# Altium PCB Graviton-EC2.PcbDoc (part 9 of 12) (continued)
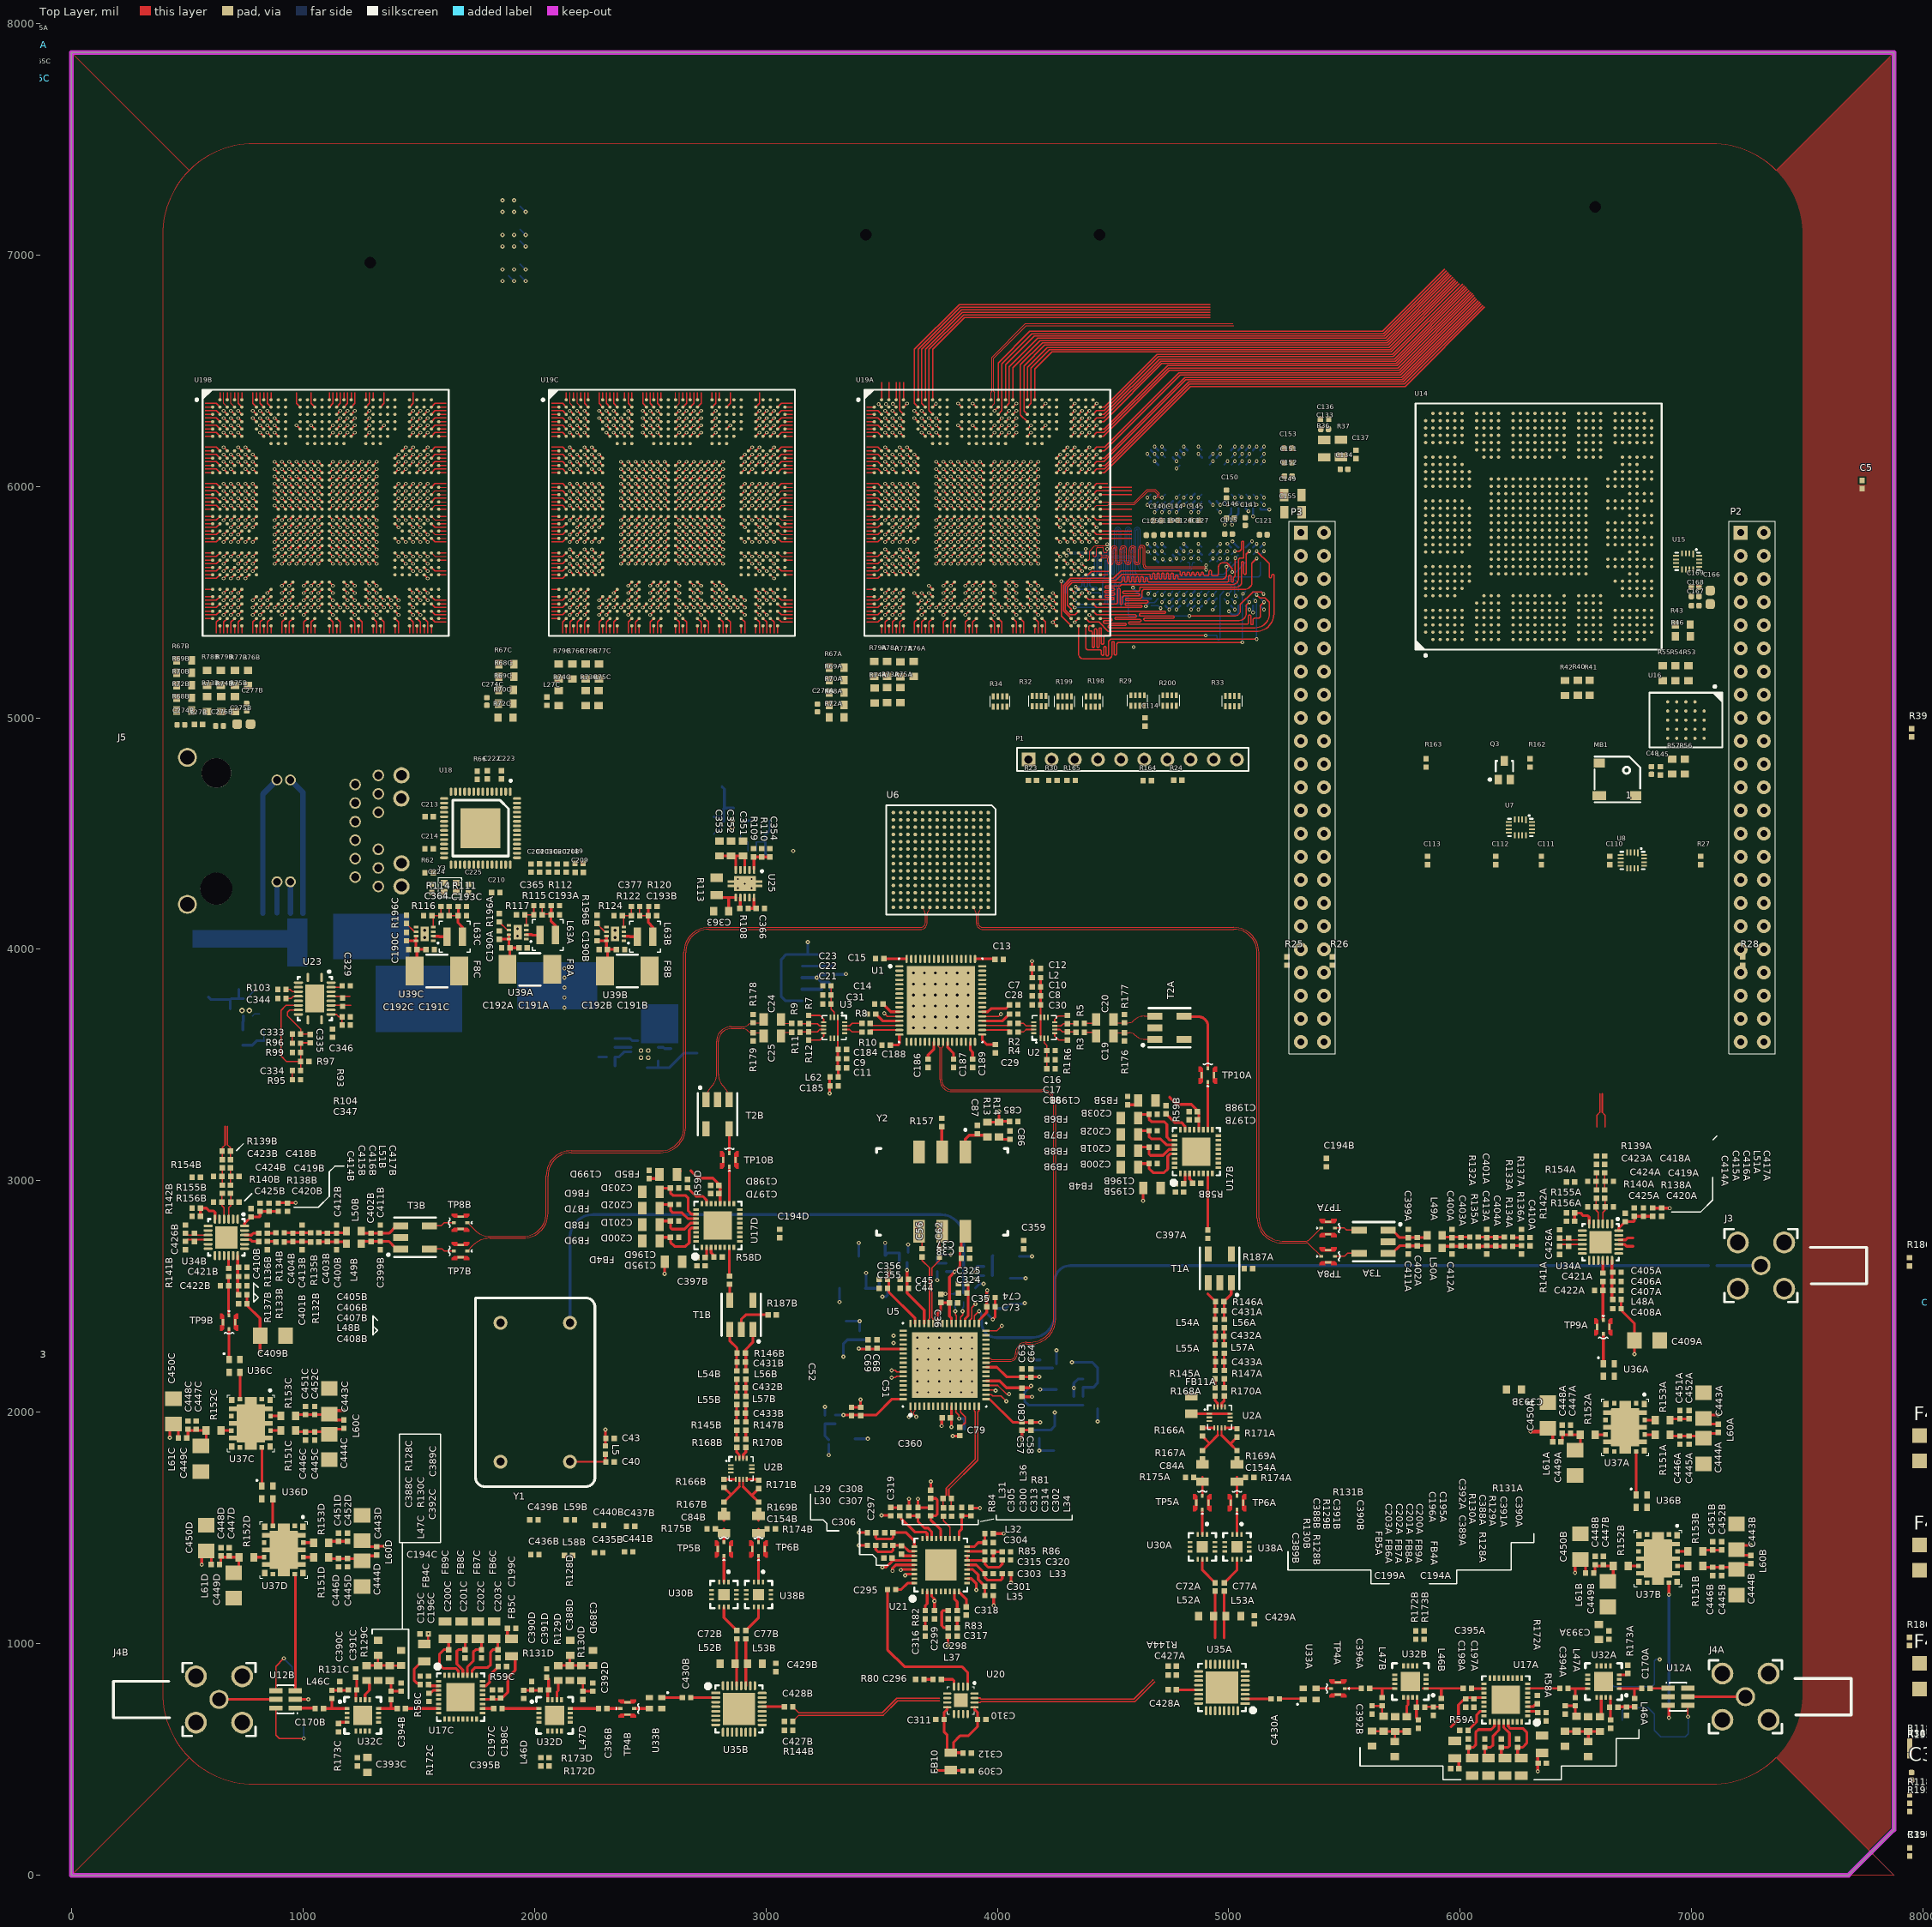
[diagram p0: Top Layer view]
## Nets (pads, with @x,y where several pads share a name; then routed paths per layer and width w, separated by ;. In a path a pad name is that pad's centre, name@x,y a point inside that pad or via, vN(x,y) a via of type N, cw(c..) or ccw(c..) an arc to the next point about the centre after c; other vN are vias at no path point) (continued)
  Top Layer w10: C392B.2@5618.11,730.12 5620.08,732.09 L47B.1@5662.4,732.09 5662.4,692.72 R130B.1@5668.31,686.81
NetC392C_2: C392C.2 L47C.1 R130C.1 | length 92.8
  Top Layer w10: R130C.1@1375,840.75 1380.91,834.84 L47C.1@1380.91,795.47 1423.23,795.47 C392C.2@1425.2,797.44
NetC392D_2: C392D.2 L47D.1 R130D.1 | length 92.8
  Top Layer w10: R130D.1@2203.74,840.75 2209.65,834.84 L47D.1@2209.65,795.47 2251.97,795.47 C392D.2@2253.94,797.44
NetC399A_2: C399A.2 C402A.2 L49A.1 T3A.1 | length 206.3
  Top Layer w5.98: T3A.1@5688.58,2779.33 T3A.1@5713.78,2779.33 ; C402A.2@5817.13,2754.72 L49A.1@5854.33,2754.72
  Top Layer w11.81: T3A.1@5713.78,2779.33 5738.39,2754.72 C399A.2@5775.59,2754.72 ; C399A.2@5775.98,2755.12 C402A.2@5814.96,2755.12 L49A.1@5847.83,2755.12
NetC399B_2: C399B.2 C402B.2 L49B.1 T3B.1 | length 206.3
  Top Layer w5.98: L49B.1@1255.91,2738.39 C402B.2@1293.11,2738.39 ; T3B.1@1396.46,2713.78 T3B.1@1421.65,2713.78
  Top Layer w11.81: L49B.1@1262.4,2737.99 C402B.2@1295.28,2737.99 C399B.2@1334.25,2737.99 ; C399B.2@1334.65,2738.39 1371.85,2738.39 T3B.1@1396.46,2713.78
NetC400A_2: C400A.2 C403A.2 L49A.2 R132A.1 | length 111.2
  Top Layer w11.81: L49A.2@5929.92,2756.89 R132A.1@6041.14,2756.89
NetC400B_2: C400B.2 C403B.2 L49B.2 R132B.1 | length 111.2
  Top Layer w11.81: R132B.1@1069.09,2736.22 L49B.2@1180.31,2736.22
NetC401A_2: C401A.2 C404A.2 R132A.2 R133A.1 | length 113.8
  Top Layer w11.81: R132A.2@6076.97,2756.89 R133A.1@6190.75,2756.89
NetC401B_2: C401B.2 C404B.2 R132B.2 R133B.1 | length 113.8
  Top Layer w11.81: R133B.1@919.49,2736.22 R132B.2@1033.27,2736.22
NetC402A_1: C402A.1 C411A.2 L50A.1 T3A.3 | length 209.5
  Top Layer w5.98: T3A.3@5688.58,2687.2 T3A.3@5705.91,2687.2 ; C402A.1@5814.96,2719.29 L50A.1@5847.83,2719.29
  Top Layer w11.81: T3A.3@5705.91,2687.2 5738.39,2719.69 C411A.2@5775.59,2719.69 ; C411A.2@5775.98,2719.29 C402A.1@5814.96,2719.29 ; C402A.1@5817.13,2719.69 L50A.1@5854.33,2719.69
NetC402B_1: C402B.1 C411B.2 L50B.1 T3B.3 | length 209.5
  Top Layer w5.98: L50B.1@1262.4,2773.82 C402B.1@1295.28,2773.82 ; T3B.3@1404.33,2805.91 T3B.3@1421.65,2805.91
  Top Layer w11.81: L50B.1@1255.91,2773.43 C402B.1@1293.11,2773.43 ; C402B.1@1295.28,2773.82 C411B.2@1334.25,2773.82 ; C411B.2@1334.65,2773.43 1371.85,2773.43 T3B.3@1404.33,2805.91
NetC403A_1: C403A.1 C412A.2 L50A.2 R135A.1 | length 111.2
  Top Layer w11.81: L50A.2@5929.92,2717.52 R135A.1@6041.14,2717.52
NetC403B_1: C403B.1 C412B.2 L50B.2 R135B.1 | length 111.2
  Top Layer w11.81: R135B.1@1069.09,2775.59 L50B.2@1180.31,2775.59
NetC404A_1: C404A.1 C413A.2 R134A.1 R135A.2 | length 113.8
  Top Layer w11.81: R135A.2@6076.97,2717.52 R134A.1@6190.75,2717.52
NetC404B_1: C404B.1 C413B.2 R134B.1 R135B.2 | length 113.8
  Top Layer w11.81: R134B.1@919.49,2775.59 R135B.2@1033.27,2775.59
NetC418A_1: C418A.1 C419A.2 R138A.1 | length 74.4
  Top Layer w5.98: R138A.1@6624.02,2960.83 C418A.1@6624.02,3035.24
NetC418B_1: C418B.1 C419B.2 R138B.1 | length 74.4
  Top Layer w5.98: R138B.1@687.01,2981.5 C418B.1@687.01,3055.91
NetC421A_1: C421A.1 U34A.16 | length 52
  Top Layer w11.81: C421A.1@6616.14,2601.57 U34A.16@6616.14,2653.54
NetC421A_2: C421A.2 C422A.2 TP9A.C | length 167.9
  Top Layer w5.98: TP9A.C@6616.14,2400.59 TP9A.C@6618.11,2398.62
  Top Layer w11.81: TP9A.C@6616.14,2400.59 C421A.2@6616.14,2565.75
NetC421B_1: C421B.1 U34B.16 | length 52
  Top Layer w11.81: C421B.1@679.13,2622.24 U34B.16@679.13,2674.21
NetC421B_2: C421B.2 C422B.2 TP9B.C | length 167.9
  Top Layer w5.98: TP9B.C@679.13,2421.26 TP9B.C@681.1,2419.29
  Top Layer w11.81: TP9B.C@679.13,2421.26 C421B.2@679.13,2586.42
NetC423A_1: C423A.1 C424A.2 R140A.1 | length 74.4
  Top Layer w5.98: R140A.1@6588.58,2960.83 C423A.1@6588.58,3035.24
NetC423B_1: C423B.1 C424B.2 R140B.1 | length 74.4
  Top Layer w5.98: R140B.1@651.57,2981.5 C423B.1@651.57,3055.91
NetC426A_1: C426A.1 R142A.1 U34A.9 | length 90.7
  Top Layer w5.98: R142A.1@6436.81,2745.08 U34A.9@6527.56,2745.08
NetC426A_2: C426A.2 R141A.2 U34A.10 | length 90.7
  Top Layer w5.98: R141A.2@6436.81,2725.39 U34A.10@6527.56,2725.39
NetC426B_1: C426B.1 R142B.1 U34B.9 | length 90.7
  Top Layer w5.98: R142B.1@499.8,2765.75 U34B.9@590.55,2765.75
NetC426B_2: C426B.2 R141B.2 U34B.10 | length 90.7
  Top Layer w5.98: R141B.2@499.8,2746.06 U34B.10@590.55,2746.06
NetC427A_2: C427A.2 R144A.1
NetC427B_2: C427B.2 R144B.1
NetC428A_1: C428A.1 R195A.1 | length 96.3
  Top Layer w11.81: C428A.1@4773.82,801.57 4870.08,801.57
NetC428B_1: C428B.1 R195B.1 | length 96.3
  Top Layer w11.81: 2984.25,728.35 C428B.1@3080.51,728.35
NetC430A_2: C430A.2 U35A.2 | length 112
  Top Layer w10: U35A.2@5070.87,762.2 C430A.2@5182.87,762.2
NetC430B_2: C430B.2 U35B.2 | length 112
  Top Layer w11.81: C430B.2@2675.39,767.72 U35B.2@2787.4,767.72
NetC432A_1: C432A.1 L56A.2 L57A.1 | length 74.4
  Top Layer w11.81: L57A.1@4980.32,2291.34 L56A.2@4980.32,2365.75
NetC432A_2: C432A.2 L54A.2 L55A.1 | length 74.4
  Top Layer w11.81: L55A.1@4940.94,2291.34 L54A.2@4940.94,2365.75
NetC432B_1: C432B.1 L56B.2 L57B.1 | length 74.4
  Top Layer w11.81: L57B.1@2913.39,2069.09 L56B.2@2913.39,2143.5
NetC432B_2: C432B.2 L54B.2 L55B.1 | length 74.4
  Top Layer w11.81: L55B.1@2874.02,2069.09 L54B.2@2874.02,2143.5
NetC433A_1: C433A.1 L57A.2 R147A.1 | length 74.4
  Top Layer w11.81: R147A.1@4980.32,2181.1 L57A.2@4980.32,2255.51
NetC433A_2: C433A.2 L55A.2 R145A.1 | length 74.4
  Top Layer w11.81: R145A.1@4940.94,2181.1 L55A.2@4940.94,2255.51
NetC433B_1: C433B.1 L57B.2 R147B.1 | length 74.4
  Top Layer w11.81: R147B.1@2913.39,1958.86 L57B.2@2913.39,2033.27
NetC433B_2: C433B.2 L55B.2 R145B.1 | length 74.4
  Top Layer w11.81: R145B.1@2874.02,1958.86 L55B.2@2874.02,2033.27
NetC434A_1: C434A.1 R148A.2
NetC434A_2: C434A.2 U35A.7
NetC434B_1: C434B.1 R148B.2
NetC434B_2: C434B.2 U35B.7
NetC444A_2: C444A.2 C445A.2 C446A.2 L60A.1 R151A.2 | length 170.7
  Top Layer w11.81: R151A.2@6912.01,1897.83 C446A.2@6948.82,1897.83 C445A.2@6988.19,1897.83 C444A.2@7041.14,1897.83 ; C444A.2@7072.64,1909.25 L60A.1@7114.17,1909.25
NetC444B_2: C444B.2 C445B.2 C446B.2 L60B.1 R151B.2 | length 170.7
  Top Layer w11.81: R151B.2@7053.74,1330.91 C446B.2@7090.55,1330.91 C445B.2@7129.92,1330.91 C444B.2@7182.87,1330.91 ; C444B.2@7214.37,1342.32 L60B.1@7255.91,1342.32
NetC444C_2: C444C.2 C445C.2 C446C.2 L60C.1 R151C.2 | length 170.7
  Top Layer w11.81: R151C.2@975,1915.55 C446C.2@1011.81,1915.55 C445C.2@1051.18,1915.55 C444C.2@1104.13,1915.55 ; C444C.2@1135.63,1926.97 L60C.1@1177.17,1926.97
NetC444D_2: C444D.2 C445D.2 C446D.2 L60D.1 R151D.2 | length 170.7
  Top Layer w11.81: R151D.2@1116.73,1368.31 C446D.2@1153.54,1368.31 C445D.2@1192.91,1368.31 C444D.2@1245.87,1368.31 ; C444D.2@1277.36,1379.72 L60D.1@1318.9,1379.72
NetC447A_2: C447A.2 C448A.2 C449A.2 L61A.2 R152A.2 | length 155.9
  Top Layer w11.81: L61A.2@6435.24,1872.05 6440.94,1877.76 C448A.2@6440.94,1909.25 ; C448A.2@6446.65,1903.54 R152A.2@6518.9,1903.54 C449A.2@6518.9,1859.45
NetC447B_2: C447B.2 C448B.2 C449B.2 L61B.2 R152B.2 | length 155.9
  Top Layer w11.81: L61B.2@6576.97,1305.12 6582.68,1310.83 C448B.2@6582.68,1342.32 ; C448B.2@6588.39,1336.61 R152B.2@6660.63,1336.61 C449B.2@6660.63,1292.52
NetC447C_2: C447C.2 C448C.2 C449C.2 L61C.2 R152C.2 | length 155.9
  Top Layer w11.81: L61C.2@498.23,1889.76 503.94,1895.47 C448C.2@503.94,1926.97 ; C448C.2@509.65,1921.26 R152C.2@581.89,1921.26 C449C.2@581.89,1877.17
NetC447D_2: C447D.2 C448D.2 C449D.2 L61D.2 R152D.2 | length 155.9
  Top Layer w11.81: L61D.2@639.96,1342.52 645.67,1348.23 C448D.2@645.67,1379.72 ; C448D.2@651.38,1374.02 R152D.2@723.62,1374.02 C449D.2@723.62,1329.92
NetF1_2: F1.2 Q1.5 Q1.6 Q1.7 Q1.8 Q1.9 R89.2 U23.19
NetF3_2: F3.2 U24.1 U24.2 U24.16 | length 269.6
  Bottom Layer w11.81: U24.2@2486.22,3489.17 U24.1@2505.91,3489.17 2583.66,3489.17 2645.67,3551.18 F3.2@2702.56,3551.18 ; 2534.45,3490.16 U24.16@2534.45,3517.71
NetJ4A_1: J4A.1 U12A.5 | length 249
  Top Layer w11.81: U12A.5@6983.27,771.65 J4A.1@7232.28,771.65
NetJ4B_1: J4B.1 U12B.5 | length 241.1
  Top Layer w11.81: J4B.1@637.8,759.84 708.66,759.84 U12B.5@878.94,759.84
NetJ5_13: J5.13 R158.2 | length 135
  Bottom Layer w23.62: R158.2@945.98,4156.81 J5.13@945.98,4291.81
NetJ5_14: J5.14 R159.2 | length 598.5
  Bottom Layer w23.62: J5.14@945.98,4731.81 1000,4677.8 R159.2@1000,4155.71
NetJ5_15: J5.15 R160.2 | length 133.9
  Bottom Layer w23.62: R160.2@887.98,4157.87 J5.15@887.98,4291.81
NetJ5_16: J5.16 R161.2 | length 601.5
  Bottom Layer w23.62: R161.2@826.77,4155.71 826.77,4670.6 J5.16@887.98,4731.81
NetJ5_17: J5.17 R63.1
NetJ5_19: J5.19 R64.1
NetJ5_20: J5.20 R65.1
NetL63A_1: L63A.1 U39A.2 | length 59.9
  Top Layer w11.81: U39A.2@1965.12,4063.62 1988.74,4063.62 1990.71,4061.65 L63A.1@2024.17,4061.65
NetL63B_1: L63B.1 U39B.2 | length 59.9
  Top Layer w11.81: U39B.2@2386.38,4056.73 2410,4056.73 2411.97,4054.76 L63B.1@2445.43,4054.76
NetL63C_1: L63C.1 U39C.2 | length 59.9
  Top Layer w11.81: U39C.2@1563.54,4056.73 1587.17,4056.73 1589.13,4054.76 L63C.1@1622.6,4054.76
NetL63D_1: L63D.1 U39D.2 | length 59.9
  Bottom Layer w11.81: 740.79,3652.99 740.79,3686.46 742.76,3688.43 742.76,3712.05
NetL63E_1: L63E.1 U39E.2 | length 59.9
  Bottom Layer w11.81: U39E.2@2891.73,4553.15 2915.35,4553.15 2917.32,4555.12 L63E.1@2950.79,4555.12
NetMB1_2: MB1.2 Q3.3
NetP1_1: P1.1 R23.2
NetQ1_4: Q1.4 U23.17
NetQ3_1: Q3.1 R162.1 R163.1
NetR1_1: R1.1 U2.4 | length 74.3
  Top Layer w5.98: U2.4@4248.03,3637.8 4248.03,3625.98 4265.94,3608.07 R1.1@4303.15,3608.07
NetR1_2: R1.2 R3.1 U2.5 | length 94.2
  Top Layer w5.98: U2.5@4248.03,3653.54 4271.65,3653.54 4281.3,3643.9 R1.2@4303.15,3643.9 R3.1@4338.19,3643.9
NetR2_2: R2.2 U2.12 | length 72.2
  Top Layer w5.98: R2.2@4089.76,3680.12 4113.19,3680.12 4124.02,3669.29 U2.12@4157.48,3669.29
NetR4_2: R4.2 U2.13 | length 72.2
  Top Layer w5.98: R4.2@4089.76,3642.72 4113.19,3642.72 4124.02,3653.54 U2.13@4157.48,3653.54
NetR5_1: R5.1 R6.1 U2.6 | length 94.2
  Top Layer w5.98: U2.6@4248.03,3669.29 4275.59,3669.29 4285.24,3678.94 R6.1@4303.15,3678.94 R5.1@4338.19,3678.94
NetR6_2: R6.2 U2.7 | length 74.3
  Top Layer w5.98: U2.7@4248.03,3685.04 4248.03,3696.85 4263.78,3712.6 4300.98,3712.6 R6.2@4303.15,3714.76
NetR7_1: R7.1 U3.4 | length 85.3
  Top Layer w5.98: R7.1@3185.04,3714.76 3234.06,3714.76 3250,3698.82 U3.4@3250,3685.04
NetR7_2: R7.2 R9.1 U3.5 | length 104
  Top Layer w5.98: R9.1@3150,3678.94 R7.2@3185.04,3678.94 3222.64,3678.94 3232.28,3669.29 U3.5@3250,3669.29
NetR8_2: R8.2 U3.13 | length 79.1
  Top Layer w5.98: U3.13@3340.55,3669.29 3362.2,3669.29 3373.03,3680.12 R8.2@3415.16,3680.12
NetR10_2: R10.2 U3.12 | length 79.1
  Top Layer w5.98: U3.12@3340.55,3653.54 3362.2,3653.54 3373.03,3642.72 R10.2@3415.16,3642.72
NetR11_1: R11.1 R12.1 U3.6 | length 104
  Top Layer w5.98: R11.1@3150,3643.9 R12.1@3185.04,3643.9 3222.64,3643.9 3232.28,3653.54 U3.6@3250,3653.54
NetR12_2: R12.2 U3.7 | length 85.3
  Top Layer w5.98: R12.2@3185.04,3608.07 3234.06,3608.07 3250,3624.02 U3.7@3250,3637.8
NetR25_1: R25.1 U7.5 U7.6 U7.15 U7.16
NetR26_2: R26.2 U7.7
NetR27_2: R27.2 U8.7
NetR28_1: R28.1 U8.5 U8.6 U8.15 U8.16
NetR39_1: R39.1 U13.2
NetR43_1: R43.1 U14.AM3
NetR47_1: R47.1 R51.2 U14.AM4
NetR48_1: R48.1 R52.2 U14.AK4
NetR49_1: R49.1 R50.2 U14.AL4
NetR58A_2: R58A.2 U17A.3 | length 41.4
  Top Layer w11.81: U17A.3@6291.34,728.35 6314.96,728.35 R58A.2@6327.56,740.94
NetR58B_2: R58B.2 U17B.3 | length 41.4
  Top Layer w11.81: U17B.3@4830.71,3031.5 4830.71,3007.87 R58B.2@4843.31,2995.28
NetR58C_2: R58C.2 U17C.3 | length 41.4
  Top Layer w11.81: R58C.2@1550.39,786.61 1562.99,799.21 U17C.3@1586.61,799.21
NetR58D_2: R58D.2 U17D.3 | length 41.4
  Top Layer w11.81: U17D.3@2763.39,2712.6 2763.39,2688.98 R58D.2@2775.98,2676.38
NetR59A_2: R59A.2 U17A.23
NetR59B_2: R59B.2 U17B.23
NetR59C_2: R59C.2 U17C.23 | length 120.4
  Top Layer w11.81: U17C.23@1775.59,818.9 1791.34,818.9 1807.09,834.65 1807.09,864.37 R59C.2@1844.29,901.57
NetR59D_2: R59D.2 U17D.23
NetR60_2: R60.2 U18.32
NetR61_2: R61.2 U18.31
NetR62_2: R62.2 U18.30
NetR73A_1: R73A.1 R78A.2 U19A.AL4 | length 70.1
  Top Layer w4.72: 3547.24,5365.55 3547.24,5413.39 U19A.AL4@3562.99,5429.13
NetR73B_1: R73B.1 R78B.2 U19B.AL4 | length 70.1
  Top Layer w4.72: 688.98,5365.55 688.98,5413.39 U19B.AL4@704.72,5429.13
NetR73C_1: R73C.1 R78C.2 U19C.AL4 | length 70.1
  Top Layer w4.72: 2185.04,5365.55 2185.04,5413.39 U19C.AL4@2200.79,5429.13
NetR74A_1: R74A.1 R79A.2 U19A.AK4 | length 22.3
  Top Layer w5: v1(3547.24,5444.88) U19A.AK4@3562.99,5460.63
NetR74B_1: R74B.1 R79B.2 U19B.AK4 | length 22.3
  Top Layer w5: v1(688.98,5444.88) U19B.AK4@704.72,5460.63
NetR74C_1: R74C.1 R79C.2 U19C.AK4 | length 22.3
  Top Layer w5: v1(2185.04,5444.88) U19C.AK4@2200.79,5460.63
NetR75A_1: R75A.1 R77A.2 U19A.AM4 | length 32.1
  Top Layer w4.72: 3562.99,5365.55 U19A.AM4@3562.99,5397.64
NetR75B_1: R75B.1 R77B.2 U19B.AM4 | length 32.1
  Top Layer w4.72: 704.72,5365.55 U19B.AM4@704.72,5397.64
NetR75C_1: R75C.1 R77C.2 U19C.AM4 | length 32.1
  Top Layer w4.72: 2200.79,5365.55 U19C.AM4@2200.79,5397.64
NetR82_2: R82.2 U21.2 | length 85.9
  Top Layer w11.81: R82.2@3688.98,1143.9 3688.98,1165.35 3696.85,1173.23 U21.2@3696.85,1226.57
NetR83_2: R83.2 U21.8 | length 87.6
  Top Layer w11.81: U21.8@3814.96,1226.57 3814.96,1192.91 3826.77,1181.1 R83.2@3826.77,1143.9
NetR84_2: R84.2 U21.26 | length 173
  Top Layer w11.81: R84.2@3582.68,1552.95 3582.68,1543.31 3642.8,1483.19 3690.04,1483.19 3696.85,1476.38 U21.26@3696.85,1454.92
NetR85_1: R85.1 U21.17 | length 74.4
  Top Layer w11.81: U21.17@3870.08,1399.8 R85.1@3944.49,1399.8
NetR89_1: R89.1 R91.2 U23.1
NetR92A_1: R92A.1 U2A.11
NetR92B_1: R92B.1 U2B.11
NetR102_2: R102.2 R106.1 U24.6
NetR103_1: R103.1 U23.4 | length 57.4
  Top Layer w5.98: R103.1@927.36,3826.77 944.88,3826.77 954.72,3816.93 U23.4@980.71,3816.93
NetR107_1: R107.1 U24.8 | length 69.7
  Bottom Layer w11.81: R107.1@2348.62,3576.78 U24.8@2418.31,3576.78
NetR108_1: R108.1 U25.7 | length 50.6
  Top Layer w11.81: R108.1@2885.83,4175.39 2889.76,4179.33 U25.7@2889.76,4220.47 U25.7@2889.76,4224.41
NetR118A_1: R118A.1 U2A.14
NetR118B_1: R118B.1 U2B.14
NetR119_2: R119.2 U2.11
NetR125_2: R125.2 U2.14
NetR127_2: R127.2 U3.11
NetR129A_1: R129A.1 U32A.14 | length 85.3
  Top Layer w11.81: R129A.1@6603.35,685.83 6609.25,691.73 U32A.14@6609.25,768.7
NetR129B_1: R129B.1 U32B.14 | length 85.3
  Top Layer w11.81: R129B.1@5768.7,685.83 5768.7,730.32 5774.61,736.22 U32B.14@5774.61,768.7
NetR129C_1: R129C.1 U32C.14 | length 95.9
  Top Layer w11.81: U32C.14@1268.7,758.86 1268.7,780.51 1287.4,799.21 1287.4,828.94 R129C.1@1274.61,841.73
NetR129D_1: R129D.1 U32D.14 | length 85.3
  Top Layer w11.81: U32D.14@2097.44,758.86 2097.44,791.34 2103.35,797.24 R129D.1@2103.35,841.73
NetR145A_2: R145A.2 R168A.1 | length 39
  Top Layer w11.81: R168A.1@4940.94,2106.3 R145A.2@4940.94,2145.28
NetR145B_2: R145B.2 R168B.1 | length 39
  Top Layer w11.81: R168B.1@2874.02,1884.06 R145B.2@2874.02,1923.03
NetR147A_2: R147A.2 R170A.1 | length 39
  Top Layer w11.81: R170A.1@4980.32,2106.3 R147A.2@4980.32,2145.28
NetR147B_2: R147B.2 R170B.1 | length 39
  Top Layer w11.81: R170B.1@2913.39,1884.06 R147B.2@2913.39,1923.03
NetR149A_1: R149A.1 U35A.5
NetR149B_1: R149B.1 U35B.5
NetR150A_2: R150A.2 U35A.17
NetR150B_2: R150B.2 U35B.17
NetR151A_1: R151A.1 U37A.19 | length 44.5
  Top Layer w11.81: U37A.19@6797.24,1903.54 R151A.1@6841.73,1903.54
NetR151B_1: R151B.1 U37B.19 | length 44.5
  Top Layer w11.81: U37B.19@6938.98,1336.61 R151B.1@6983.46,1336.61
NetR151C_1: R151C.1 U37C.19 | length 44.5
  Top Layer w11.81: U37C.19@860.24,1921.26 R151C.1@904.72,1921.26
NetR151D_1: R151D.1 U37D.19 | length 44.5
  Top Layer w11.81: U37D.19@1001.97,1374.02 R151D.1@1046.46,1374.02
NetR152A_1: R152A.1 U37A.10 | length 44.5
  Top Layer w11.81: R152A.1@6583.46,1903.54 U37A.10@6627.95,1903.54
NetR152B_1: R152B.1 U37B.10 | length 44.5
  Top Layer w11.81: R152B.1@6725.2,1336.61 U37B.10@6769.68,1336.61
NetR152C_1: R152C.1 U37C.10 | length 44.5
  Top Layer w11.81: R152C.1@646.46,1921.26 U37C.10@690.94,1921.26
NetR152D_1: R152D.1 U37D.10 | length 44.5
  Top Layer w11.81: R152D.1@788.19,1374.02 U37D.10@832.68,1374.02
NetR153A_1: R153A.1 U37A.21 | length 44.5
  Top Layer w11.81: U37A.21@6797.24,1966.54 R153A.1@6841.73,1966.54
NetR153B_1: R153B.1 U37B.21 | length 44.5
  Top Layer w11.81: U37B.21@6938.98,1399.61 R153B.1@6983.46,1399.61
NetR153C_1: R153C.1 U37C.21 | length 44.5
  Top Layer w11.81: U37C.21@860.24,1984.25 R153C.1@904.72,1984.25
NetR153D_1: R153D.1 U37D.21 | length 44.5
  Top Layer w11.81: U37D.21@1001.97,1437.01 R153D.1@1046.46,1437.01
NetR154A_1: R154A.1 U34A.1
NetR154B_1: R154B.1 U34B.1
NetR155A_2: R155A.2 R156A.1 U34A.6 | length 135.1
  Top Layer w11.81: R156A.1@6494.29,2825.79 R155A.2@6494.29,2861.22 6519.68,2861.22 6531.5,2849.41 6551.18,2849.41 6557.09,2843.5 U34A.6@6557.09,2813.98
NetR155B_2: R155B.2 R156B.1 U34B.6 | length 135.1
  Top Layer w11.81: R156B.1@557.28,2846.46 R155B.2@557.28,2881.89 582.68,2881.89 594.49,2870.08 614.17,2870.08 620.08,2864.17 U34B.6@620.08,2834.65
NetR157_1: R157.1 Y2.2 | length 110.9
  Top Layer w11.81: R157.1@3759.84,3234.06 3759.84,3125.98 Y2.2@3761.81,3124.02
NetR166A_1: R166A.1 U2A.4 | length 51.3
  Top Layer w11.81: R166A.1@4885.83,1933.07 4936.81,1933.07 U2A.4@4937.01,1932.87
NetR166A_2: R166A.2 R167A.1 U2A.5 | length 170.3
  Top Layer w7.87: 4952.76,1901.57 U2A.5@4952.76,1932.87
  Top Layer w11.81: R167A.1@4885.83,1834.65 4917.32,1866.14 ; R166A.2@4885.83,1897.24 4916.93,1866.14 4917.32,1866.14 ; 4952.76,1901.57 4917.32,1866.14
NetR166B_1: R166B.1 U2B.4 | length 51.3
  Top Layer w11.81: R166B.1@2818.9,1710.83 2869.88,1710.83 U2B.4@2870.08,1710.63
NetR166B_2: R166B.2 R167B.1 U2B.5 | length 170.3
  Top Layer w7.87: 2885.83,1679.33 U2B.5@2885.83,1710.63
  Top Layer w11.81: R167B.1@2818.9,1612.4 2850.39,1643.9 ; R166B.2@2818.9,1675 2850,1643.9 2850.39,1643.9 ; 2885.83,1679.33 2850.39,1643.9
NetR168A_2: R168A.2 U2A.13 | length 50.7
  Top Layer w11.81: R168A.2@4940.94,2070.47 4940.94,2050.66 4951.85,2039.75 U2A.13@4951.85,2024.33
NetR168B_2: R168B.2 U2B.13 | length 50.7
  Top Layer w11.81: R168B.2@2874.02,1848.23 2874.02,1828.41 2884.92,1817.51 U2B.13@2884.92,1802.09
NetR169A_1: R169A.1 R171A.1 U2A.6 | length 167.2
  Top Layer w7.87: 4968.66,1901.42 U2A.6@4968.66,1932.72
  Top Layer w10: 4968.66,1901.42 4969.59,1900.49
  Top Layer w11.81: 4969.59,1900.49 5006.1,1863.98 ; R169A.1@5035.43,1834.65 5006.1,1863.98 ; R171A.1@5035.43,1893.31 5006.1,1863.98
NetR169B_1: R169B.1 R171B.1 U2B.6 | length 167.2
  Top Layer w7.87: 2901.73,1679.17 U2B.6@2901.73,1710.47
  Top Layer w10: 2901.73,1679.17 2902.66,1678.25
  Top Layer w11.81: 2902.66,1678.25 2939.17,1641.73 ; R169B.1@2968.5,1612.4 2939.17,1641.73 ; R171B.1@2968.5,1671.06 2939.17,1641.73
NetR170A_2: R170A.2 U2A.12 | length 50.8
  Top Layer w11.81: U2A.12@4969.41,2024.17 4969.41,2039.75 4980.32,2050.66 R170A.2@4980.32,2070.47
NetR170B_2: R170B.2 U2B.12 | length 50.8
  Top Layer w11.81: U2B.12@2902.48,1801.93 2902.48,1817.51 2913.39,1828.41 R170B.2@2913.39,1848.23
NetR171A_2: R171A.2 U2A.7 | length 47.4
  Top Layer w11.81: U2A.7@4984.25,1932.87 R171A.2@5031.69,1932.87
NetR171B_2: R171B.2 U2B.7 | length 47.4
  Top Layer w11.81: U2B.7@2917.32,1710.63 R171B.2@2964.76,1710.63
NetR173A_2: R173A.2 U32A.4 | length 31.7
  Top Layer w11.81: U32A.4@6687.01,866.14 R173A.2@6718.7,866.14
NetR173B_2: R173B.2 U32B.4
NetR173C_2: R173C.2 U32C.4 | length 39.8
  Top Layer w11.81: R173C.2@1153.54,655.71 1159.25,661.42 U32C.4@1190.94,661.42
NetR173D_2: R173D.2 U32D.4
NetR180A_1: R180A.1 R181A.2 R182A.2 U11A.3
NetR180B_1: R180B.1 R181B.2 R182B.2 U11B.3
NetR183A_1: R183A.1 R184A.2 U11A.6
NetR183B_1: R183B.1 R184B.2 U11B.6
NetR185A_1: R185A.1 R186A.2 U11A.5
NetR185B_1: R185B.1 R186B.2 U11B.5
NetR187A_1: R187A.1 T1A.2
NetR187B_1: R187B.1 T1B.2 | length 167
  Top Layer w11.81: T1B.2@2893.7,2358.66 2893.7,2401.57 2913.39,2421.26 R187B.1@3009.65,2421.26
NetR195A_2: R195A.2 U35A.21
NetR195B_2: R195B.2 U35B.21
NetR196A_2: R196A.2 U39A.6 | length 56.4
  Top Layer w5.98: R196A.2@1848.98,4118.54 1848.98,4117.67 1883.34,4083.31 U39A.6@1890.31,4083.31
NetR196B_2: R196B.2 U39B.6 | length 56.4
  Top Layer w5.98: R196B.2@2270.24,4111.65 2270.24,4110.78 2304.6,4076.42 U39B.6@2311.57,4076.42
NetR196C_2: R196C.2 U39C.6 | length 56.4
  Top Layer w5.98: R196C.2@1447.4,4111.65 1447.4,4110.78 1481.77,4076.42 U39C.6@1488.74,4076.42
NetR196D_2: R196D.2 U39D.6 | length 56.4
  Bottom Layer w5.98: 762.44,3786.85 762.44,3793.82 796.81,3828.19 R196D.2@797.68,3828.19
NetR196E_2: R196E.2 U39E.6 | length 56.4
  Bottom Layer w5.98: R196E.2@2775.59,4498.23 2775.59,4499.1 2809.96,4533.46 U39E.6@2816.93,4533.46
NetR197_2: R197.2 U3.14
NetT3A_4: T3A.4 TP8A.A | length 110.1
  Top Layer w5.98: TP8A.A@5458.66,2674.21 5500,2674.21 5512.99,2687.2 T3A.4@5563.39,2687.2
NetT3A_6: T3A.6 TP7A.A | length 108.5
  Top Layer w5.98: TP7A.A@5458.66,2796.26 5500,2796.26 5509.06,2787.2 T3A.6@5563.39,2787.2
NetT3B_4: T3B.4 TP8B.A | length 110.1
  Top Layer w5.98: T3B.4@1546.85,2805.91 1597.24,2805.91 1610.24,2818.9 TP8B.A@1651.57,2818.9
NetT3B_6: T3B.6 TP7B.A | length 108.5
  Top Layer w5.98: T3B.6@1546.85,2705.91 1601.18,2705.91 1610.24,2696.85 TP7B.A@1651.57,2696.85
NetU20_2: U20.2 U20.3
NetU36A_3: U36A.3 U37A.5
NetU36B_3: U36B.3 U37B.5
NetU36C_3: U36C.3 U37C.5 | length 116.1
  Top Layer w11.81: U37C.5@728.35,2057.09 U36C.3@728.35,2173.23
NetU36D_3: U36D.3 U37D.5 | length 124
  Top Layer w11.81: U37D.5@870.08,1509.84 870.08,1622.05 U36D.3@870.08,1633.86
P1A-DDRCCCLK_N: J1.3 U19A.P26 | length 22.3
  Top Layer w2.99: U19A.P26@4255.91,5964.57 v1(4271.65,5980.32)
P1A-DDRCCCLK_P: J1.2 U19A.P27 | length 22.3
  Top Layer w2.99: U19A.P27@4287.4,5964.57 v1(4303.15,5980.32)
P1A-SDRCCCLK_N: J1.83 U19A.F17 | length 22.3
  Top Layer w2.99: U19A.F17@3972.44,6216.54 v1(3988.19,6232.28)
P1A-SDRCCCLK_P: J1.82 U19A.E17 | length 22.3
  Top Layer w2.99: U19A.E17@3972.44,6248.03 v1(3988.19,6263.78)
P1A.DDRCC.S2: J1.5 U19A.N26 | length 22.3
  Top Layer w5: U19A.N26@4255.91,5996.06 v1(4271.65,6011.81)
P1A.DDRCC.S3: J1.6 U19A.N27 | length 22.3
  Top Layer w5: U19A.N27@4287.4,5996.06 v1(4303.15,6011.81)
P1A.DDRCC.S4: J1.8 U19A.L27 | length 22.3
  Top Layer w5: U19A.L27@4287.4,6059.06 v1(4303.15,6074.8)
P1A.DDRCC.S5: J1.9 U19A.L26 | length 22.3
  Top Layer w5: U19A.L26@4255.91,6059.06 v1(4271.65,6074.8)
P1A.DDRCC.S6: J1.12 U19A.N29 | length 22.3
  Top Layer w5: U19A.N29@4350.39,5996.06 v1(4366.14,6011.81)
P1A.DDRCC.S7: J1.13 U19A.N30 | length 22.3
  Top Layer w5: U19A.N30@4381.89,5996.06 v1(4397.64,6011.81)
P1A.DDRCC.S8: J1.15 U19A.L29 | length 22.3
  Top Layer w5: U19A.L29@4350.39,6059.06 v1(4366.14,6074.8)
P1A.DDRCC.S9: J1.16 U19A.K28 | length 22.3
  Top Layer w5: U19A.K28@4318.9,6090.55 v1(4334.65,6106.3)
P1A.DDRCC.S10: J1.18 U19A.K26 | length 22.3
  Top Layer w5: U19A.K26@4255.91,6090.55 v1(4271.65,6106.3)
P1A.DDRCC.S11: J1.19 U19A.K27 | length 22.3
  Top Layer w5: U19A.K27@4287.4,6090.55 v1(4303.15,6106.3)
P1A.DDRCC.S12: J1.22 U19A.J27 | length 22.3
  Top Layer w5: U19A.J27@4287.4,6122.05 v1(4303.15,6137.8)
P1A.DDRCC.S13: J1.23 U19A.H28 | length 22.3
  Top Layer w5: U19A.H28@4318.9,6153.54 v1(4334.65,6169.29)
P1A.DDRCC.S14: J1.25 U19A.H27 | length 22.3
  Top Layer w5: U19A.H27@4287.4,6153.54 v1(4303.15,6169.29)
P1A.DDRCC.S15: J1.26 U19A.K29 | length 22.3
  Top Layer w5: U19A.K29@4350.39,6090.55 v1(4366.14,6106.3)
P1A.DDRCC.S16: J1.28 U19A.J29 | length 22.3
  Top Layer w5: U19A.J29@4350.39,6122.05 v1(4366.14,6137.8)
P1A.DDRCC.S17: J1.29 U19A.L30 | length 22.3
  Top Layer w5: U19A.L30@4381.89,6059.06 v1(4397.64,6074.8)
P1A.DDRCC.S18: J1.32 U19A.L31 | length 1984.1
  Top Layer w4.72: U19A.L31@4413.39,6059.06 4429.13,6074.8 4463.56,6074.8 4830.42,6441.65 5757.9,6441.65 6098.12,6781.88
P1A.DDRCC.S19: J1.33 U19A.L32 | length 1956.7
  Top Layer w4.72: U19A.L32@4444.88,6059.06 4461.57,6059.06 4834.44,6431.93 5761.93,6431.93 6105,6775
P1A.DDRCC.S20: J1.35 U19A.K32 | length 1935.6
  Top Layer w4.72: U19A.K32@4444.88,6090.55 4465.56,6090.55 4826.39,6451.38 5753.87,6451.38 6091.25,6788.75
P1A.DDRCC.S21: J1.36 U19A.J32 | length 1914.5
  Top Layer w4.72: U19A.J32@4444.88,6122.05 4462.05,6122.05 4810.83,6470.83 5745.82,6470.83 6077.5,6802.5
P1A.DDRCC.S22: J1.38 U19A.K31 | length 1963
  Top Layer w4.72: U19A.K31@4413.39,6090.55 4429.13,6106.3 4460.05,6106.3 4814.85,6461.1 5749.85,6461.1 6084.37,6795.63
P1A.DDRCC.S23: J1.39 U19A.K30 | length 22.3
  Top Layer w5: U19A.K30@4381.89,6090.55 v1(4397.64,6106.3)
P1A.DDRCC.S24: J1.42 U19A.J30 | length 22.3
  Top Layer w5: U19A.J30@4381.89,6122.05 v1(4397.64,6137.8)
P1A.DDRCC.S25: J1.43 U19A.H30 | length 22.3
  Top Layer w5: U19A.H30@4381.89,6153.54 v1(4397.64,6169.29)
P1A.DDRCC.S26: J1.45 U19A.H31 | length 1924.9
  Top Layer w4.72: U19A.H31@4413.39,6153.54 4429.13,6169.29 4464.29,6169.29 4785.28,6490.28 5737.76,6490.28 6063.74,6816.26
P1A.DDRCC.S27: J1.46 U19A.H32 | length 1897.4
  Top Layer w4.72: U19A.H32@4444.88,6153.54 4462.3,6153.54 4789.3,6480.55 5741.79,6480.55 6070.62,6809.38
P1A.DDRCC.S28: J1.48 U19A.F32 | length 1866.8
  Top Layer w4.72: U19A.F32@4444.88,6216.54 4459.04,6216.54 4744.43,6501.93 5735.66,6501.93 6059.37,6825.63
P1A.DDRCC.S29: J1.49 U19A.E32 | length 1845.7
  Top Layer w4.72: U19A.E32@4444.88,6248.03 4463.03,6248.03 4736.38,6521.38 5727.61,6521.38 6045.61,6839.39
P1A.DDRCC.S30: J1.59 U19A.F31 | length 1894.2
  Top Layer w4.72: U19A.F31@4413.39,6216.54 4429.13,6232.28 4461.04,6232.28 4740.41,6511.65 5731.63,6511.65 6052.49,6832.51
P1A.DDRCC.S31: J1.58 U19A.D32 | length 1828.6
  Top Layer w4.72: U19A.D32@4444.88,6279.53 4459.53,6279.53 4711.1,6531.1 5723.58,6531.1 6038.74,6846.26
P1A.DDRCC.S32: J1.56 U19A.C32 | length 1807.5
  Top Layer w4.72: U19A.C32@4444.88,6311.02 4461.02,6311.02 4700.55,6550.55 5715.52,6550.55 6024.99,6860.01
P1A.DDRCC.S33: J1.55 U19A.E30 | length 22.3
  Top Layer w5: U19A.E30@4381.89,6248.03 v1(4397.64,6263.78)
P1A.DDRCC.S34: J1.53 U19A.F30 | length 22.3
  Top Layer w5: U19A.F30@4381.89,6216.54 v1(4397.64,6232.28)
P1A.DDRCC.S35: J1.52 U19A.D31 | length 1856.1
  Top Layer w4.72: U19A.D31@4413.39,6279.53 4429.13,6295.28 4460.28,6295.28 4705.83,6540.83 5719.55,6540.83 6031.86,6853.14
P1A.DDRCC.S36: J1.62 U19A.D30 | length 22.3
  Top Layer w5: U19A.D30@4381.89,6279.53 v1(4397.64,6295.28)
P1A.DDRCC.S37: J1.63 U19A.C31 | length 1835
  Top Layer w4.72: U19A.C31@4413.39,6311.02 4429.13,6326.77 4461.77,6326.77 4695.28,6560.28 5711.5,6560.28 6018.11,6866.89
P1A.DDRCC.S38: J1.65 U19A.B32 | length 1786.4
  Top Layer w4.72: U19A.B32@4444.88,6342.52 4462.52,6342.52 4690,6570 5707.47,6570 6011.23,6873.77
P1A.DDRCC.S39: J1.66 U19A.F28 | length 22.3
  Top Layer w5: U19A.F28@4318.9,6216.54 v1(4334.65,6232.28)
P1A.DDRCC.S40: J1.68 U19A.F29 | length 22.3
  Top Layer w5: U19A.F29@4350.39,6216.54 v1(4366.14,6232.28)
P1A.DDRCC.S41: J1.69 U19A.E29 | length 22.3
  Top Layer w5: U19A.E29@4350.39,6248.03 v1(4366.14,6263.78)
P1A.DDRCC.S42: J1.72 U19A.D29 | length 22.3
  Top Layer w5: U19A.D29@4350.39,6279.53 v1(4366.14,6295.28)
P1A.DDRCC.S43: J1.73 U19A.C30 | length 22.3
  Top Layer w5: U19A.C30@4381.89,6311.02 v1(4397.64,6326.77)
P1A.DDRCC.S44: J1.75 U19A.C29 | length 22.3
  Top Layer w5: U19A.C29@4350.39,6311.02 v1(4366.14,6326.77)
P1A.DDRCC.S45: J1.76 U19A.D28 | length 22.3
  Top Layer w5: U19A.D28@4318.9,6279.53 v1(4334.65,6295.28)
P1A.DDRCC.S46: J1.78 U19A.C28 | length 22.3
  Top Layer w5: U19A.C28@4318.9,6311.02 v1(4334.65,6326.77)